# KiCad board CEM.kicad_pcb (continued)
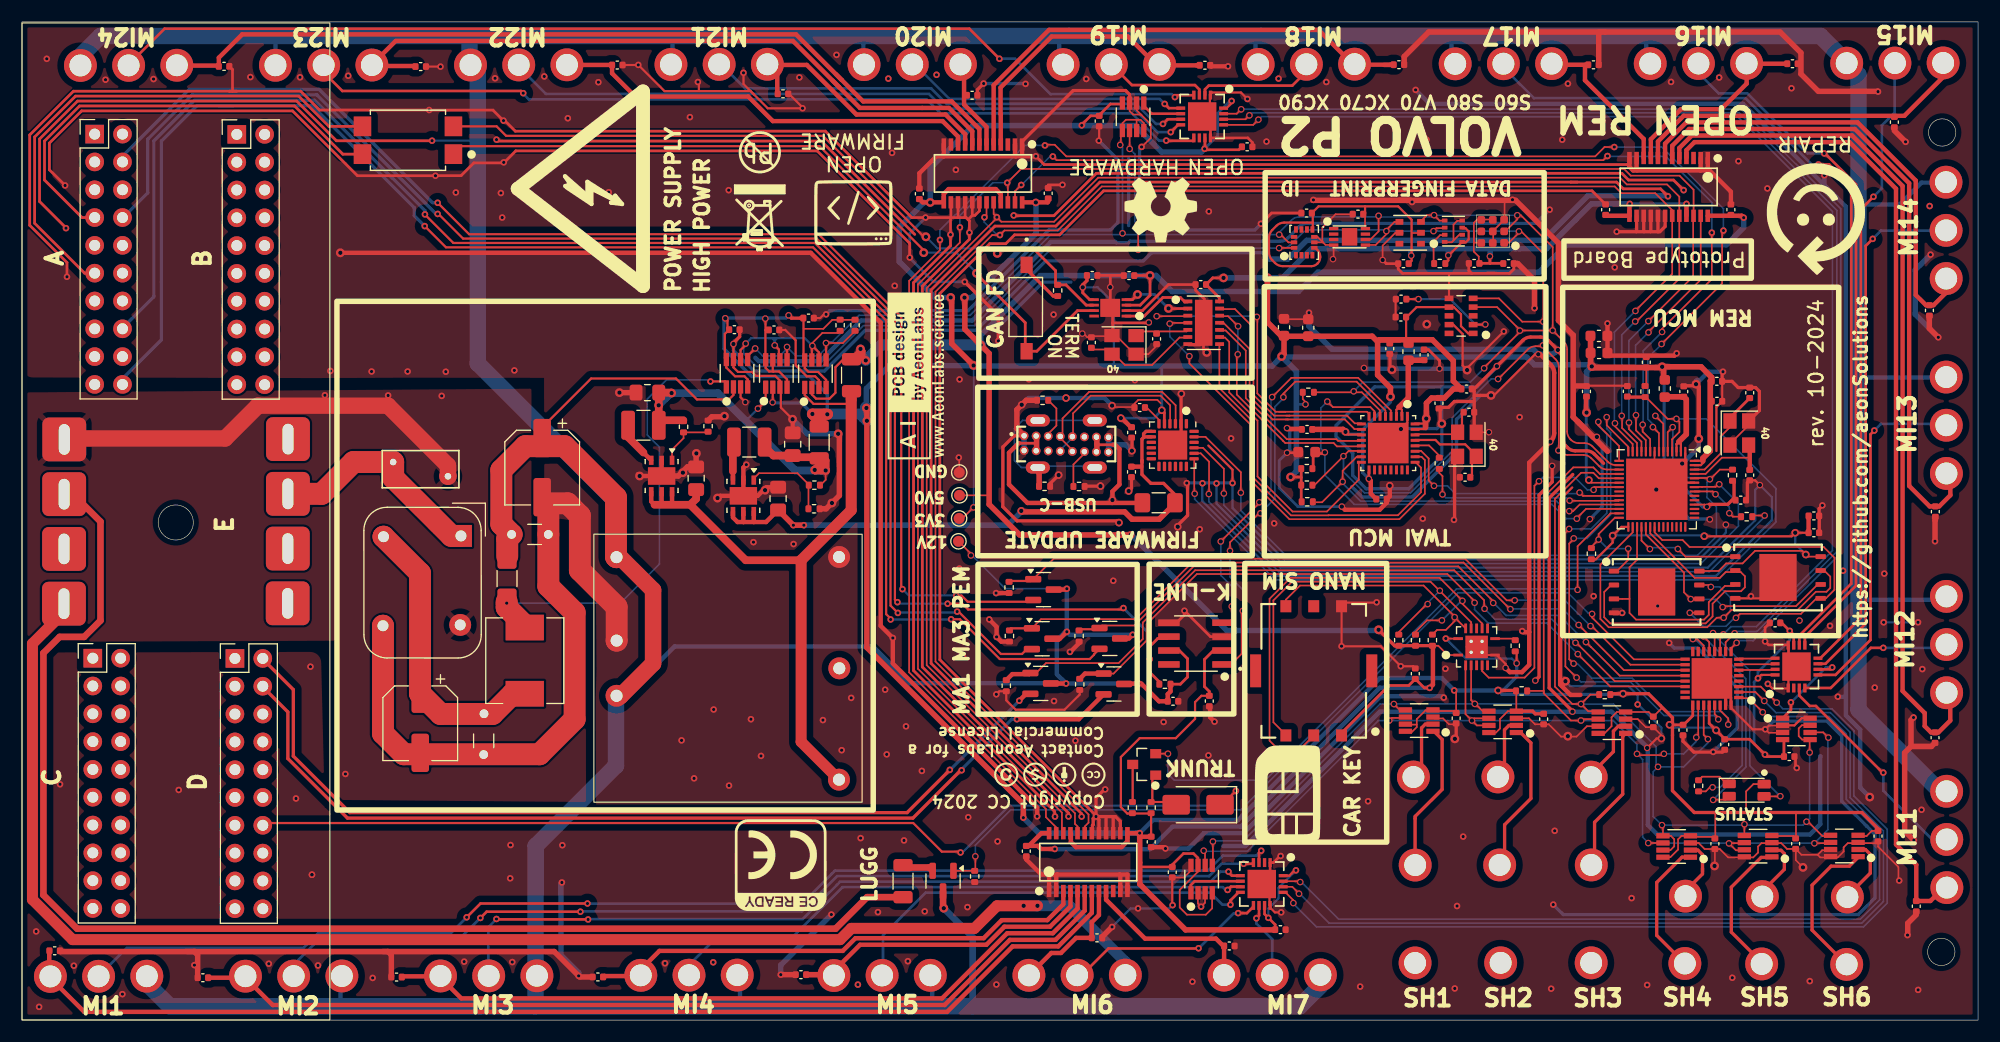
[diagram p0: board, top side]
## Routing (per net, layer and track width the routed paths; a pad name or vN(x,y) marks a point on that pad's centre or on a via; arc(x,y) is an arc through that point) (continued)
+5V: length 257.4
  Top w0.15: 5V0.1 88.21,47.93 88.27,47.87 ; TXS1.1 130.11,33.34 129.26,34.19 S3P52_R4.1
  Top w0.2: 72.09,57.78 72.09,57.14 72.47,56.76 73.7,56.76 74.24,57.3 74.24,59.63 75.27,60.66 75.47,60.66
  Top w0.25: 120.43,25.84 J2.C1 120.43,26.23 124.76,30.56 126.56,30.56 ENS_C3.2 127.98,30.34 v3(128.47,30.34) ; 100.71,65.3 102.05,65.3 102.95,66.2 v2(102.95,68.01) 101.53,68.01 MCP_P3_C1.1
  Top w0.3: S3P52_R4.1 128.71,34.2 125.66,34.2 S3P52_R3.1 125.27,34.19 v2(123.81,35.65)
  Top w0.4: v3(94.26,15.63) 92.99,15.63 92.71,15.91 NCV3_C14.1 91.88,15.91 93.04,17.07 U12.24 ; 93.66,74.74 93.61,74.69 U10.24 ; U11.24 153.86,73.47 156.96,73.47 v3(157.13,73.29) ; S3P52_R4.1 128.77,34.14 128.77,30.64 v3(128.47,30.34)
  Top w0.5: 86.05,66.14 86.05,63.11 v2(87.49,61.67) 88.27,60.89 88.27,47.1 91.06,44.31 101.1,44.31 ; v2(77.01,60.25) 76.72,60.54 75.9,60.54 75.57,60.21 76.53,61.17 v2(76.53,61.3) 76.74,61.09 76.74,60.52 v2(77.01,60.25)
  Bottom w0.4: v3(128.47,30.34) 128.45,30.36 123.92,30.36 111.23,17.67 105,17.67 102.94,15.61 94.28,15.61 v3(94.26,15.63)
  Bottom w0.5: 92.55,74.6 92.55,71.85 86.69,65.99 v2(86.02,65.99) 86.02,66.11 ; v2(123.81,35.65) 123.74,35.58 109.96,35.58 101.22,44.32 v1(100.06,44.32) 100.08,44.3 101,44.3 ; v3(157.13,73.29) 157.13,72.39 155.55,70.81 140.96,70.81 138.46,68.31 135.92,68.31 ; 135.92,68.31 136.83,68.31 ; 135.92,68.31 118.27,68.31 116.51,66.55 104.97,66.55 103.51,68.01 v2(102.95,68.01) 102.94,68 92.94,68 87.49,62.55 v2(87.49,61.67)
  Bottom w1: v2(77.01,60.25) 78.43,61.67 v2(87.49,61.67)
  vias: v1(92.53,74.68) v1(101.19,44.31)
+12V: length 723.7
  Top w0.15: TP1.1 86.61,42.59 v4(86.61,42.44)
  Top w0.2: INA3.2 64.94,57.09 64.53,56.69 61.6,56.69 59.69,58.6 51.95,58.6 47.48,54.13 C5.1
  Top w0.25: 37.58,80.3 37.57,80.31 28.7,80.31 25.07,83.94 5.08,83.94 1.61,80.47 1.61,74.77 3.95,72.43 ; U15.7 105.62,33.75 106.37,33.01 106.37,31.33 105.72,30.68 TXR2.1 ; 130.58,87.29 130.58,87.96
  Top w0.4: DMP1045U_4.3 94.73,34.84 v3(95.36,35.47) ; v3(101.37,35.2) 101.03,34.86 DMP1045U_5.3 ; v3(95.29,30.74) 93.92,30.74 DMP1045U_2.3 ; DMP1045U_7.3 95.28,39.32 v3(95.36,39.4) ; TXR2.1 104.82,30.02 104.57,29.77 LIN_C1.1 103.77,29.12 102.16,30.73 v3(101.92,30.73) 100.62,30.73 DMP1045U_3.3
  Top w0.6: v2(84.13,10.22) 84.06,10.29 DMP1045U_1.3
  Top w1.5: U2.6 54.59,42.28 57.6,39.27 57.6,32.57 54.65,29.62 U2.2
  Top w2: 44.29,42.37 44.29,43.96 C6.1 43.75,45.3 43.75,50.23 45.94,52.42 49.53,52.42 54.22,47.73 54.22,42.33 U2.6
  Bottom w0.15: v3(95.36,39.4) 89.75,39.4 86.71,42.44 v4(86.61,42.44)
  Bottom w0.2: v3(37.43,80.32) 41.56,80.32 41.6,80.36
  Bottom w0.25: 130.58,89.54 130.23,89.89 ; 64.52,4.23 64.87,4.23
  Bottom w0.3: 77.18,89.81 77.1,89.89 ; 59.38,89.79 59.48,89.89 ; 112.78,89.62 113.05,89.89 ; 23.78,89.65 24.02,89.89 ; 148.38,89.58 148.07,89.89
  Bottom w0.4: 94.94,31.09 v3(95.29,30.74) ; v3(95.29,30.74) 95.26,30.77 81.03,30.77 77.67,34.13 59.56,34.13 55.05,29.62 U2.2 ; v3(95.29,30.74) 101.91,30.74 v3(101.92,30.73) ; v3(95.29,30.74) 94.45,31.58 94.45,34.7 95.28,35.53 ; 175.32,38.67 175.04,38.39 167.61,38.39 167.61,37.34 ; 112.57,87.69 112.57,89.73 ; 130.46,87.73 130.46,89.94 ; 175.28,76.5 175.27,76.49 173.36,76.49 171.36,74.49 167.73,74.49 ; 76.79,87.48 76.79,90.02 ; 149.46,89.58 148.38,89.58 ; 84.02,1.26 82.05,1.26 ; 95.55,89.89 95.77,89.67 ; 83.07,4.11 83.07,1.27 ; 65.53,4.08 65.53,1.26 64.11,1.26 ; 100.28,1.46 100.08,1.26 ; 59.38,87.21 59.38,89.79 ; 148.24,87.52 148.24,89.75 ; 113.57,89.37 113.32,89.62 112.78,89.62 ; 29.08,4 29.08,1.36 29.18,1.26 ; 94.67,89.73 94.67,87.37 ; 77.97,89.81 77.18,89.81 ; 131.66,89.54 130.58,89.54 ; 175.3,58.7 175.29,58.69 167.81,58.69 167.61,58.48 167.61,55.06 ; v3(101.37,35.2) 95.63,35.2 v3(95.36,35.47) v3(95.36,39.4) ; 23.14,87.24 23.14,89.72
  Bottom w0.6: 86.76,3.5 86.76,7.58 84.17,10.17 ; 86.76,3.5 86.76,4.32 ; 86.76,3.5 86.76,1.26
  Bottom w1.5: U2.2 54.22,29.57 54.22,23.23 46.88,15.9 46.88,1.26 41.74,1.26 ; U1.MI7-1 118.5,3.14 116.62,1.26 41.74,1.26 ; 41.74,1.26 13.49,1.26 11.28,3.47 11.28,3.98 ; U2.6 54.27,47.31 41.6,59.97 41.6,86.57 U1.MI22-1 40.94,87.21 ; 5.32,87.2 5.32,88.03 7.18,89.89 164.13,89.89 166.53,87.49 U1.MI15-1 167.61,86.33 167.61,28.34 175.08,20.86 ; 40.84,89.84 40.84,87.25
  vias: v3(4.02,72.33)
GND: length 2687.3
  Top w0.15: 134.27,71.01 134.27,72.09 135.31,73.13 135.31,74.86 135.38,74.93 v3(136.03,74.93) ; 161.87,15.64 161.89,15.62 161.89,14.61 v2(162.54,13.95) ; 161.87,15.64 161.09,15.64 160.56,16.16 158.75,16.16 158.44,15.85 158.44,15.3 158,14.86 155.71,14.86 154.95,15.62 INA1_C7.1 ; 161.87,15.64 162.41,15.1 163.88,15.1 ; C3_C1.2 115.22,64.02 C3_C2.2 ; 96.6,62.73 96.86,62.73 97.23,62.36 97.6,62.36 97.71,62.47 99.02,62.47 99.47,62.92 99.47,62.9 101.54,60.83 102.8,60.83 103.55,61.58 MCPXTAL32_C2.2 ; 148.99,49.09 148.99,51.92 ; INA7.3 153.01,16.18 153.56,15.62 INA1_C7.1 ; 155.87,52.63 157.67,54.43 ; 102.17,82.67 103.02,81.81 103.02,80.57 102.2,79.75 v3(102.18,79.75) ; 102.17,82.67 102.12,82.71 101.41,82.71 101.09,83.03 101.09,83.67 ; 102.17,82.67 101.74,83.09 101.74,83.67 ; 154.48,14.18 154.5,14.2 INA1_C7.1 ; v4(124.18,69.42) 124.18,70.74 125.33,71.89 125.62,71.89 ; GND1.1 85.54,51.28 85.46,51.36 ; 130.65,71.2 130.65,72.66 130.99,73 131.4,73 ; 130.65,71.2 131.22,71.78 ; 130.65,71.2 130.48,71.04 129.9,71.04 ; C3XTAL40_1.2 133.87,53.69 v4(133.88,53.7) ; 160.7,26.25 159.41,26.25 v3(159.1,26.56) ; 171.25,12.7 171.25,13.98 169.39,15.84 INA1_C9.1 169.23,16.16 166.63,16.16 166.25,15.78 166.25,15.4 165.71,14.86 164.12,14.86 163.88,15.1 ; INA6.3 147.46,27.49 148.2,26.75 INA1_C6.1 149.73,25.91 149.73,25.6 ; 163.88,15.1 164.29,15.51 165.06,15.51 ; 118.74,71.03 118.97,70.8 119.71,70.8 119.71,69.73 119.68,69.7 ; 118.74,71.03 118.68,71.09 118.68,72.4 119.88,73.6 121.44,73.6 ATC1.1 ; 118.74,71.03 117.91,71.03 ; 118.74,71.03 118.24,71.53 117.91,71.53 ; 106.69,14.14 106.69,13.67 106.05,13.03 INA1_C10.1 ; 160.7,26.9 159.44,26.9 v3(159.1,26.56) ; v3(159.1,26.56) 159.1,26.44 ; INA4.3 128.9,27.55 129.7,27.55 130.23,27.02 130.81,27.02 INA1_C4.1 ; 130.75,51.5 130.6,51.5 ; INA6.7 142.82,26.84 141.87,25.89 140.46,25.89 139.34,27.02 138.09,27.02 137.53,27.56 INA5.3 ; 107.97,11.55 107.97,10.72 v3(107.61,10.36) 107.32,10.65 107.32,11.55 ; 103.92,56.35 103.62,56.65 101.88,56.65 101.53,56.3 101.53,55.99 99.66,55.99 99.53,56.12 v1(99.49,56.12) 99.49,56.16 99.47,56.18
  Top w0.2: 66.79,84.55 65.85,85.5 v3(65.85,86.52) ; 66.79,84.55 66.5,84.85 61.78,84.85 ; 66.79,84.55 68.07,83.28 v3(71.24,83.28) ; v2(70.33,54.88) 69.26,55.95 69.26,57.72 INA1.3 69.18,58.41 68.75,58.84 66.98,58.84 66.62,59.2 65.35,59.2 64.94,59.61 v4(64.94,61.75) ; 141.48,48.65 140.38,47.55 140.38,46.88 ; INA1_C12.1 98.31,80.35 v3(98.28,80.32) ; NCV3_C22.2 38.15,87.09 38.18,87.12 ; 69.41,63.03 69.67,63.03 70.61,62.09 70.61,59.81 71.62,58.8 72.39,58.8 72.74,58.45 72.74,57.78 ; v3(111.84,84.13) 111.25,84.72 108.62,84.72 108.42,84.52 108.42,82.88 ; 125.36,64.2 125.36,65.82 ; 108.27,52.48 110.48,50.27 v3(110.48,49.05) ; 161.14,31.89 161.21,31.82 161.21,30.29 159.75,30.29 v3(159.33,30.71) ; INA11.2 161.76,26.92 162.41,27.57 INA11.8 ; TXS1.15 133.51,33.34 TXS1.7 134.59,33.34 135.4,32.53 v4(135.4,32.17) ; v2(134.07,57.06) 134.34,57.06 138.1,60.82 v4(138.38,60.82) ; INA3.3 65.59,56.88 v4(66.02,56.44) ; v3(105.01,10.5) 104.98,10.53 INA1_C10.1 ; 151.79,50.86 151.79,51.79 ; INA1_C2.1 72.85,64.12 73.19,64.46 v3(73.39,64.46) ; 56.32,87.27 56.28,87.23 NCV3_C24.2 ; DMP1045_R3.2 96.53,29.73 95.15,28.35 90.69,28.35 89.83,29.21 DMP1045_R2.2 89.2,30.03 v3(88.93,29.75) ; U16.6 130.24,68.16 130.28,68.2 ; S3_XTAL40_C2.2 158.18,49.3 v4(158.61,48.86) ; ENS_C3.1 126.96,32.32 v3(125.83,32.32) 124.01,34.14 120.44,34.14 v3(120.43,34.15) J2.C5 120.76,38.13 123.53,38.13 123.69,38.29 ; 126.44,55.21 126.44,54.58 v2(125.84,53.99) ; v3(146.04,37.19) 145.3,37.19 EPS1.4 ; 152.63,49.09 148.99,49.09 ; 155.96,28.78 KTS1.32 155.98,28.52 157.94,26.56 v3(159.1,26.56) ; 71.24,83.36 70,84.6 NCV3_C23.2 ; v3(114.92,9.84) 114.35,9.84 113.91,10.28 TXMUX1.12 113.89,10.47 113.86,10.5 113.86,11.72 TXMUX1.17 ; v1(149.62,25.72) 149.18,25.72 v4(148.32,24.86) ; 107.72,48.92 107.73,48.93 107.73,49.07 ; S3P20_C1.2 142.82,57.94 146.48,57.94 S3P4_C1.1 146.56,57.96 ; U16.9 130.62,63.52 131.48,62.66 131.48,59.78 v2(131.89,59.37) 131.89,59.55 v3(135.24,62.9) ; 154.64,51.98 154.64,55.99 S3P55_C1.1 155.17,58.35 155.19,58.37 ; v3(61.69,85.68) 61.78,85.59 61.78,84.85 ; 61.78,84.85 58.64,84.85 v3(56.25,87.24) ; ESP_FLASH1.4 158.67,38.52 160.26,40.11 ESP_FLASH1.9
  Top w0.24: TX1_C1.1 112.3,80.16 111.88,80.57 U13.12 108.47,81.77 U13.17 107.71,82.02 ; TX1_C13.1 159.08,35.85 v3(159.08,34.59) 159.4,34.27 161.16,34.27 U14.12 161.22,34.21 161.22,33.02 U14.17 ; 114.78,14.96 114.21,14.39 TXMUX1.1 113.91,13.19 TXMUX1.17
  Top w0.25: v3(113.07,72.73) 114.05,73.71 LSM_C4.1 ; v3(90.51,73.5) 90.53,73.47 94.18,73.47 98.05,77.34 146.01,77.34 146.62,76.72 150.73,76.72 v3(151.65,75.8) ; 81.48,71.76 72.95,80.29 43.44,80.29 v3(43.31,80.42) ; 86.01,73.3 86.08,73.37 U10.16 ; 86.01,73.3 86.17,73.3 86.35,73.12 ; 86.01,73.3 85.42,73.3 ; 85.42,73.3 85.43,73.31 U10.15 ; 85.42,73.3 81.21,73.3 73.32,81.19 45.03,81.19 44.07,82.15 v3(43.95,82.15) 42.99,83.11 37.16,83.11 v3(37.17,83.12) 27.17,83.12 25.45,84.84 18.94,84.84 ; v4(115.46,51.82) 116.2,51.82 116.33,51.95 116.53,51.95 ; U10.17 86.73,73.5 ; 86.73,73.5 86.97,73.5 87.38,73.91 U10.18 ; 86.73,73.5 86.35,73.12 ; 132.3,68.2 135.76,68.2 136.15,68.59 ENS_C1.1 136.29,69.1 136.31,69.12 ; 132.3,68.2 132.04,68.46 132.04,69.1 ENS_C2.1 ; 132.3,68.2 125.99,68.2 125.6,68.59 AH_C1.1 124.51,69.09 v4(124.18,69.42) ; v3(81.02,69.65) 81.02,70.94 72.57,79.39 45.07,79.39 44.02,78.34 v3(43.97,78.34) 43.93,78.3 41.25,78.3 40.08,77.13 37.75,77.13 v3(37.74,77.12) 30.62,77.12 24.7,83.04 5.45,83.04 2.51,80.1 2.51,77.66 v3(3.94,76.23) ; v3(150.22,75.24) 149.53,75.92 146.14,75.92 145.53,76.54 141.35,76.54 ; 99.53,63.68 102.8,63.68 v4(102.84,63.72) ; 99.53,63.68 99.53,62.99 99.47,62.92 ; 99.53,63.68 99.53,65.39 99.33,65.59 99.33,68.02 ; 155.96,28.9 155.96,29.46 ; 99.33,68.02 98.17,68.02 MCP_P5_C2.2 ; 99.33,68.02 100.53,68.02 MCP_P3_C1.2 ; 18.94,84.84 19.6,84.84 ; 18.94,84.84 4.7,84.84 0.71,80.85 0.71,72.59 4.11,69.19 v3(4.11,67.89) ; U15.3 108.47,35.03 106.1,37.39 v3(106.09,37.39) 106.09,37.01 105.38,36.3 U15.5 ; U10.14 84.78,73.34 84.75,73.3 v3(84.75,71.74) 84.75,70.73 81.37,67.35 81.37,31.92 94.25,19.04 94.25,18.64 ; C3P2_C1.2 128.36,61.24 129.37,60.23 v4(129.37,59.5) ; v3(92.53,78.9) 93.29,78.14 146.5,78.14 146.71,77.94 ; 107.83,63.64 107.83,61.28 v2(108.13,60.98) ; 86.35,73.12 86.47,73 v3(86.47,71.93) 86.47,71.32 82.17,67.02 82.17,32.26 95.51,18.92 v3(95.51,18.6) ; NCV2_C7.2 143.29,75.74 98.71,75.74 94.69,71.72 90.59,71.72 89.78,70.91 88.32,70.91 83.77,66.36 83.77,32.92 98.02,18.67 98.02,18.51 ; 93.66,76.29 v3(94.96,76.29) 95.07,76.29 95.08,76.3 ; 141.35,76.54 141.94,76.54 ; 141.35,76.54 98.38,76.54 94.36,72.52 88.8,72.52 82.97,66.69 82.97,32.59 96.71,18.85 v3(96.71,18.59) ; 19.22,84.84 19.22,86.82 NCV3_C21.2 ; 100.71,64.8 102.26,64.8 104.64,67.18 MCP_P14_C1.2 107.11,66.67 107.9,65.87 107.9,62.77 ; 162,22.99 161.86,23.13 161.86,23.97 161.77,24.07
  Top w0.3: 98.79,21.07 98.02,20.3 v3(98.02,18.59) ; 101.31,52.06 v1(101.3,52) 101.31,52.89 ; KTS1.33 155.48,29.96 KTS1.31 ; v4(139.65,50.61) 139.65,49.15 138.46,47.96 138.46,31.35 v4(138.11,31.01) ; v2(152.78,58.08) 152.64,57.94 151.71,57.94 S3P2_C2.2 ; U12.16 98.94,18.59 ; 98.94,18.59 99.54,18.59 ; 98.94,18.59 v3(98.02,18.59) ; E_SPI_C1.2 164.03,44.53 164.03,46.03 E_SPI_C2.2 164.02,46.72 v3(164.31,47.01) ; v3(86.04,67.43) 89.11,64.36 v3(89.11,62.04) ; v2(129.58,54.48) 129.43,54.63 129.43,55.97 130.2,55.97 130.73,56.5 132.53,56.5 ; v2(134.07,57.06) 132.59,57.06 132.53,57 ; v4(64.94,61.75) 64.94,61.86 65.5,62.42 INA1_C3.1 ; 147.33,72.01 147.36,72.03 U11.14 ; 147.33,72.01 v3(145.54,72.01) ; 147.33,72.01 148.03,72.01 ; U11.17 149.31,72.02 149.3,72.01 ; 144.34,50.86 143.49,51.7 arc(143.17,51.92) 142.79,52 141.75,52 arc(141.37,52.07) 141.05,52.29 140.93,52.41 arc(140.71,52.73) 140.64,53.11 140.64,60.25 arc(140.56,60.63) 140.34,60.95 140.17,61.13 v4(140.17,61.21) 139.28,62.09 arc(138.96,62.31) 138.58,62.39 137.68,62.39 arc(137.3,62.31) 136.98,62.09 v4(134.61,59.72) 132.52,57.64 C3P32_C1.1 132.53,57.42 132.53,53.96 132.55,53.95 ; v4(141.5,28.17) 141.5,28.22 139.38,30.34 139.38,47.68 141.53,49.83 ; 130.75,51.5 130.75,45.7 130.73,45.68 ; 148.63,72.01 148.03,72.01 ; 148.63,72.01 149.3,72.01 ; 148.63,72.01 148.66,72.03 U11.16 ; 148.03,72.01 148.01,72.03 148.01,73.46 ; U12.14 100.24,18.15 99.8,18.59 99.54,18.59 ; S3_XTAL40_C2.2 157.47,49.09 157.47,47.62 S3P46_C1.2 ; 149.3,72.01 149.48,72.01 149.96,72.48 U11.18 ; ACPM_C2.1 155.19,24.48 152.58,24.48 151.59,25.47 151.59,25.72 ; 106.45,61.69 107.55,61.69 ; v1(101,48.32) 101.26,48.58 CHC1.2 ; v1(100.12,45.44) 99.95,45.6 90.81,45.6 89.52,46.89 89.52,52.34 90.55,53.37 J1.A1 ; U12.15 99.59,18.54 99.54,18.59 ; U12.18 97.7,17.13 97.7,17.79 97.77,17.85 97.77,18.41 97.95,18.59 v3(98.02,18.59) ; 94.76,49.9 94.73,49.9 v1(94.61,49.78) 93.84,49.01 USB_PLYG_R1.2 ; U12.17 98.29,18.32 v3(98.02,18.59) ; 98.36,48.89 98.43,48.96 v1(98.43,48.77) 97.01,48.77 USB_PLUG_R2.2 ; INA1_C4.1 130.89,25.96 130.7,25.77 ; C3P2_C2.2 124.85,60.83 124.85,59.59 v2(125.03,59.41) ; 157.9,54.59 157.9,55.02 158.56,55.68 158.56,57.43 158.22,57.78 S3_XTAL40_C1.2 156.62,57.78 156.06,58.34 S3P55_C2.1 155.16,59.14 v3(155.24,59.22) ; 105.04,52.52 105.79,53.27 105.79,57.19 v1(105.81,57.21) ; 105.35,45.07 106.38,46.1 106.38,48.93 106.24,49.07 ; 101.09,83.67 101.09,84.53 100.72,84.9 95.94,84.9 91.28,80.24 U10.1 ; NCV3_C20.2 87.2,84.97 v3(87.77,85.54)
  Top w0.4: v4(120.46,46.9) 120.75,46.61 123.91,46.61 124.56,47.27 C3P17_C1.2 124.83,47.85 124.83,48.96 ; 93.72,13.3 93.74,13.28 U12.1 ; 93.72,13.3 93.03,13.3 91.68,14.66 91.66,14.66 ; 93.72,13.3 94.5,13.3 ; 137.56,35.43 137.56,32.45 136.89,31.78 135.79,31.78 v4(135.4,32.17) ; 137.56,35.43 137.02,35.43 v3(136.92,35.53) ; 137.56,35.43 137.56,50.91 v4(139.47,52.83) ; 100.18,13.3 94.5,13.3 ; 100.18,13.3 100.89,13.3 U12.12 ; 100.18,13.3 100.24,13.24 U12.11 ; 94.5,13.3 94.39,13.19 U12.2 ; v3(110.07,87.11) 108.54,87.11 NCV3_C18.2 ; AUR_C2.2 67.93,48.67 67.15,47.89 AUR1.7 ; NCV2_C8.2 155.96,75.66 154.02,77.6 147.04,77.6 146.71,77.94 U11.12 ; 90.7,78.89 90.63,78.95 U10.2 ; 90.7,78.89 83.44,78.89 81.9,77.35 NCV1_C10.2 ; 90.7,78.89 91.21,78.89 ; v3(66.11,50.73) 65.84,50.46 AUR1.2 AUR1.7 ; AUR_C1.2 70.34,54.92 70.33,54.93 ; U10.12 84.13,78.9 84.12,78.89 ; v3(144.7,63.63) 144.7,60.94 S3_VDD3_C2.2 144.95,60.69 150.8,60.69 v3(151.01,60.9) ; 56.21,49.86 v2(56.38,49.7) AUR2.7 AUR2.2 ; v4(115.45,54.07) 115.53,53.99 116.76,53.99 C3P11_C1.2 ; 95.63,33.58 96.48,34.43 DMP1045_R5.2 ; U11.2 153.21,77.62 153.19,77.6 ; DMP1045_R7.2 90.08,39 88.93,39 ; v3(88.28,36.59) 88.95,35.92 v3(88.95,35) 89.38,34.57 DMP1045_R4.2 ; AUR1.7 63.73,47.89 63.41,47.57 ; 140.38,43.39 140.38,30.65 141.33,29.7 142.22,29.7 ; 140.38,43.39 140.38,46.88 ; 140.38,43.39 140.38,42.56 ; 91.21,78.89 91.28,78.97 U10.1 ; 91.21,78.89 92.52,78.89 v3(92.53,78.9) ; v2(152.78,58.08) 153.03,57.83 v2(153.03,53.1) ; v4(138.38,60.82) 138.55,60.82 139.54,59.82 arc(139.76,59.5) 139.84,59.12 139.84,53.61 arc(139.76,53.22) 139.54,52.9 ; LIN_C2.2 108.43,28.59 108.43,27.67 v3(108.84,27.26) ; U11.1 153.86,77.62 153.83,77.6 ; v2(29.06,70.08) 71.99,70.08 78.37,63.7 78.37,36.01 v3(79.48,34.9) 79.48,32.58 92.65,19.41 v3(92.65,18.61) ; U11.11 147.36,77.65 147.4,77.6 ; NCV3_C13.2 104.24,15.8 v3(104.36,15.67) ; 140.53,30.53 140.94,30.95
  Top w0.5: 144.7,51.95 141.99,54.66 ; 64.03,55.1 62.96,55.1 AUR_R3.2 ; 172.4,25 171.82,24.42 171.82,17.27 v3(172.66,16.43) ; 172.4,25 172.4,27.41 v3(172.63,27.64) ; 172.4,25 174.27,25 NCV2_C11.2 ; v3(174.89,62.36) 174.07,63.18 174.07,64.03 174.08,64.04 ; v3(99.49,8.51) 98.59,7.61 NCV1_C3.2 ; AUR_C3.2 v2(54.53,57.31) 54.45,57.39 ; AUR2.7 59.9,49.7 60.73,50.53 AUR_C4.2 61.53,51.74 v2(61.55,51.76) ; NCV2_C16.2 143.9,90.25 144.5,90.25 ; NCV1_C4.2 3.54,6.26 15.73,6.26 16.04,5.96 NCV1_C5.2 ; v3(171.91,80.22) 170.88,81.24 ; NCV3_C19.2 126.15,88 128.39,90.25 144.5,90.25 ; 125.73,74.88 136.31,74.88 140.23,70.97 140.23,63.91 141.57,62.56 141.57,55.08 141.99,54.66 ; 125.73,74.88 126.72,74.88 v3(126.87,74.72) 126.86,74.72 126.83,74.75 ; 125.73,74.88 117.83,74.88 ; 32.93,6.26 48.58,6.26 50.8,4.04 v3(50.81,4.04) 50.91,3.94 NCV1_C8.2 ; 141.99,54.66 143.38,53.27 v4(143.73,53.27) ; USB_PLUG_R1.2 91.65,56.61 90.8,55.76 90.8,54.03 J1.A1 ; 15.02,6.26 33.41,6.26 33.71,5.96 NCV1_C6.2 ; v3(69.25,4.15) NCV1_C7.2 ; v3(169.39,84.8) 169.36,84.83 163.94,84.83 162.36,86.41 162.36,88.34 160.45,90.25 144.5,90.25 ; 174.62,45.67 174.59,45.64 v3(174.59,43.73) ; 142.72,57.92 141.66,57.92 ; AUR_R1.2 73.39,46.7 74.6,47.91 74.6,53.44 v2(74.49,53.55) ; 172.88,9.62 172.1,8.84 172.1,7.9 ; ENS_C1.1 136.51,69.1 138.04,67.57 v3(138.04,65.02)
  Top w2: U2.1 54.28,37.73 50.92,41.09 50.92,46.08 49.8,47.2 48.04,47.2 C6.2 48.04,39.63 50.44,37.23 50.44,27.48 47.24,24.28 34.85,24.28 32.95,26.18 HLL1.4
  Bottom w0.2: v3(105.01,10.5) 104.71,10.2 v3(101.86,10.2) 101.18,10.2 v3(99.49,8.51) ; v1(149.62,25.72) 149.62,26.71 147.5,28.83 v3(147.45,28.83) 147.45,29.66 146.6,30.51 141.31,30.51 v2(140.87,30.95) ; v3(169.9,36.33) v3(173.04,36.33) ; 124.84,48.53 124.83,48.54 v1(124.83,48.81) ; v3(107.74,49.03) 107.72,49.01 107.72,47.41 114.56,40.58 154.61,40.58 159.7,45.66 159.7,47.77 v4(158.61,48.86) 158.18,48.44 158.18,45.65 153.85,41.33 114.87,41.33 109.02,47.17 v3(109.02,49.02) ; v4(155.5,45.25) 155.5,44.51 153.07,42.08 115.18,42.08 110.48,46.77 v3(110.48,49.05)
  Bottom w0.25: 120.34,46.79 v4(120.46,46.9) 116.44,46.9 114.74,48.6 114.74,51.1 v4(115.46,51.82) ; 128.31,59.49 129.37,59.49 v4(129.37,59.5) ; v3(82.47,73.3) 81.02,71.85 v3(81.02,69.65) 81.02,69.59 83.18,67.43 v3(86.04,67.43)
  Bottom w0.3: v3(139.75,10.55) 140.66,9.64 167.59,9.64 169.11,11.16 169.11,16.96 166.07,20 166.07,25.96 164.72,27.31 159.84,27.31 v3(159.1,26.56) ; v3(139.42,74.02) 138.17,72.77 117.28,72.77 arc(116.9,72.69) 116.58,72.48 115.53,71.43 arc(115.21,71.22) 114.83,71.14 101.11,71.14 100.97,71 99.87,71 99.79,71.08 ; 110.42,49.03 110.38,49.07 106.24,49.07 ; 121.36,48.73 122.31,47.78 122.88,47.78 ; 125.75,54.03 129.13,54.03 v2(129.58,54.48) ; 130.92,53 130.92,54.87 133.11,57.06 v2(134.07,57.06) ; 130.92,53 130.92,51.83 126.88,47.78 122.92,47.78 ; 130.92,53 130.92,52.36 ; v3(150.33,34.45) 150.8,33.98 152.92,33.98 156.55,30.35 156.55,26.7 v3(154.35,24.5) ; 87.1,63 76.96,63 73.25,59.28 66.81,59.28 64.94,61.16 v4(64.94,61.75) ; 87.1,63 93.44,69.34 102.34,69.34 103.09,70.09 113.3,70.09 113.66,69.72 ; 87.1,63 86.98,63 ; v2(129.58,54.48) 129.58,51.55 126.56,48.53 122.68,48.53 121.45,49.76 121.45,51.78 119.93,53.3 119.93,54.32 123.46,57.84 132.81,57.84 134.61,59.64 v4(134.61,59.72) ; v2(129.58,54.48) 129.58,57.83 129.57,57.84 ; 101,78.69 v4(101,74.18) 101,72.57 ; 113.08,72.73 112.52,72.17 103.23,72.17 102,73.4 102,79.59 102.11,79.71 ; 95.73,67.4 93.19,67.4 89.11,63.32 v3(89.11,62.04) ; v4(115.45,54.07) 115.71,53.81 115.71,52.06 v4(115.46,51.82) ; v4(143.09,45.76) 144.21,46.88 144.21,52.64 143.73,53.12 v4(143.73,53.27) ; v2(149.15,48.46) 149.47,48.46 152.16,45.77 154.05,45.77 ; v3(73.39,64.46) 73.73,64.8 86.35,64.8 93.72,72.17 99.34,72.17 100.02,72.84 100.02,78.59 v3(98.28,80.32) ; v3(91.59,85.51) 91.56,85.54 v3(87.77,85.54)
  Bottom w0.4: 166.46,29.52 166.46,74.3 165.57,75.18 ; 166.46,29.52 165.74,29.52 v3(165.72,29.54) ; 166.46,29.52 166.46,27.84 167.76,26.53 167.76,21.24 v2(168.63,20.37) ; 109.66,15.89 111.65,15.89 123.92,28.17 145.08,28.17 148.38,24.87 148.38,17.82 149.25,16.95 163.18,16.95 164.12,17.89 164.12,24.08 164.13,24.09 ; v1(91.24,56.2) 91.86,56.82 98.79,56.82 v1(99.49,56.12) ; 126.22,59.5 122.54,59.5 v4(122.48,59.56) ; 126.22,59.5 125.12,59.5 v2(125.03,59.41) ; 126.22,59.5 131.76,59.5 v2(131.89,59.37) ; 151.39,50.69 153.03,52.32 v2(153.03,53.1) ; v3(127.19,84.96) 128.47,83.69 157.06,83.69 165.57,75.18 ; v3(164.49,77.16) 164.49,76.26 165.57,75.18 ; 97.77,56.82 97.83,56.88 ; 99.79,71.08 93.9,71.08 86.72,63.9 76.59,63.9 72.87,60.19 67.24,60.19 66.93,60.49 ; v3(129.76,29.45) 129.64,29.58 123.99,29.58 111.48,17.07 107.85,17.07 106.45,15.67 v3(104.36,15.67) ; 152.88,58.48 152.78,58.38 v2(152.78,58.08) 153.92,59.22 v3(155.24,59.22)
  Bottom w0.5: 91.45,53.35 91.45,51.99 ; v3(73.87,9.64) 69.25,5.02 v3(69.25,4.15) ; v2(70.33,54.88) 71.66,53.55 v2(74.49,53.55) ; 113.66,69.72 113.87,69.51 115.54,69.51 117.25,71.22 138.83,71.22 142.91,75.3 150.16,75.3 v3(150.22,75.24) ; v3(50.81,4.04) 50.81,4.33 49.19,5.95 49.19,12.49 ; v4(140.17,61.21) 140,61.04 arc(139.76,60.87) 139.47,60.82 v4(138.38,60.82) 137.93,61.27 119.56,61.27 117.46,63.37 v3(117.46,64.61) ; v3(174.18,69.91) 172.78,68.51 172.78,64.47 v3(174.89,62.36) ; 99.17,51.9 99.17,53.26 ; v1(101.3,52) 100.75,52.55 99.19,52.55
  vias: v1(105.48,45.06) v2(60.32,50) v2(63.48,47.68) v2(64.11,55.16) v2(67.82,48.4) v2(73.92,47.23) v2(128.21,63.56) v2(130.77,25.69) v2(141.08,25.93) v2(151.51,50.83) v2(154.47,14.08) v3(1.3,8.1) v3(1.57,1.21) v3(2.27,87.8) v3(3.48,21.54) v3(4.74,4.97) v3(7.63,85.89) v3(9.17,2.37) v3(12.01,85.95) v3(14.31,21.02) v3(15.74,5.02) v3(20.85,86.13) v3(22.53,5.15) v3(25.01,20.24) v3(25.38,86.11) v3(26.33,32.28) v3(26.47,13.28) v3(26.47,13.28) v3(27.02,4.99) v3(28.15,59.29) v3(29.78,86.25) v3(31.91,59.24) v3(32.01,3.85) v3(35.2,59.24) v3(38.2,87.08) v3(38.68,59.22) v3(39.6,75.59) v3(40.36,5.34) v3(43.18,86.02) v3(43.71,75.54) v3(43.83,73.3) v3(44.59,15.99) v3(44.56,12.95) v3(44.75,5.3) v3(44.94,59.34) v3(47.67,86.19) v3(49.32,15.97) v3(49.28,12.57) v3(49.82,82.37) v3(52.61,85.66) v3(53.55,75.61) v3(58.69,5.19) v3(60.2,25.55) v3(60.96,82.47) v3(61.34,22.08) v3(63.09,5.28) v3(63.13,28.37) v3(64.5,75.8) v3(64.53,21.42) v3(66.53,27.48) v3(66.76,43.65) v3(67.45,24.13) v3(70.42,43.48) v3(70.95,86.1) v3(73.1,27.4) v3(74.34,88.16) v3(74.81,24.65) v3(75.68,29.43) v3(76.29,3.24) v3(76.54,16.62) v3(78.12,9.86) v3(78.78,30.18) v3(78.92,24.27) v3(79.07,85.99) v3(79.41,79.21) v3(79.65,67.07) v3(80.5,16.41) v3(80.68,26.83) v3(80.85,5.38) v3(82.13,22.76) v3(82.39,9.93) v3(83.47,86.34) v3(85.23,77.66) v3(85.5,51.38) v3(85.57,58.52) v3(85.55,41.24) v3(85.89,33.17) v3(86.29,10.32) v3(86.36,18.53) v3(88.9,39) v3(88.93,3.25) v3(89.04,16.32) v3(91.89,58.53) v3(94.15,64.44) v3(94.19,29.14) v3(94.28,18.59) v3(95.64,33.63) v3(96.14,25.52) v3(97.13,85.96) v3(98.86,21.07) v3(99.6,40.13) v3(101.57,58.45) v3(104.19,27.23) v3(106.3,49.05) v3(106.82,3.51) v3(107.49,44.83) v3(108.28,24.18) v3(108.32,73.86) v3(110.35,53.13) v3(113.58,80.24) v3(114.28,45.37) v3(114.68,85.99) v3(114.87,14.99) v3(117.86,74.91) v3(119.04,85.68) v3(122.13,3.06) v3(122.85,19.99) v3(123.63,38.16) v3(127.84,45.8) v3(128.18,80.41) v3(129.91,32.09) v3(130.69,45.69) v3(130.76,2.89) v3(130.97,10.42) v3(131.53,16.76) v3(136.68,55.07) v3(139.56,2.87) v3(139.88,17.29) v3(140.57,80.41) v3(141.09,85.53) v3(143.43,38.72) v3(145.36,68.75) v3(146.9,11.14) v3(148.32,3.21) v3(149.28,37.82) v3(150.5,85.69) v3(154.89,86.09) v3(156.09,3.87) v3(156.65,78.45) v3(157.79,38.71) v3(159.29,75.96) v3(161.49,85.11) v3(161.97,23.03) v3(163.16,3.56) v3(165.01,36.01) v3(166.2,41.04) v3(169.09,30.37) v3(169.96,40.78) v3(171.32,12.74) v3(172.08,7.77) v3(173.05,2.76) v3(173.36,19.21) v3(173.43,32.06) v3(174.1,74.35) v4(96.77,62.7) v4(99.32,66.94) v4(119.65,69.5) v4(154.04,45.73) v4(162.22,36.49)
GND-BAT: length 39.6
  Top w1.5: HLV1.2 38.88,50.65 33.41,56.12 21.54,56.12 18.55,53.13 3.78,53.13
  vias: v3(27.65,57.07) v3(29.52,22.48) v3(33.42,57.05) v3(38.31,57.01)
VDD_SPI: length 38.6
  Top w0.15: 164.16,42.33 162.99,42.33 162.46,42.86 158.17,42.86 157.02,41.71 155.53,41.71 154.84,41.02 153.09,41.02 EPS1.8
  Top w0.2: ESP32S1.29 145.98,45.05 v1(145.17,44.24) 145.17,43.62 143.64,42.09 PSRAM_R1.2 ; v1(153.53,44.2) 153.54,44.19 161.51,44.19 v1(161.83,44.51) E_SPI_C1.1
  Top w0.4: 163.05,45.78 163.05,44.8
  Bottom w0.15: 153.62,44.29 v1(153.53,44.2)
  Bottom w0.2: v1(145.17,44.24) 145.2,44.27 153.46,44.27 v1(153.53,44.2) ; v1(161.83,44.51) 161.83,43.49 v1(162.8,42.52)
(no net):
  vias: v1(95.29,56.82)
A0_TXMUX1: length 84.4
  Top w0.15: v4(116.66,12.61) 116.59,12.68 114.94,12.68 ; KTS1.1 156.74,29.4 157.59,29.4 v4(158.87,28.12)
  Bottom w0.15: v4(116.66,12.61) 116.76,12.61 120.16,9.22 167.77,9.22 169.53,10.98 169.53,17.14 166.5,20.17 166.5,26.14 164.9,27.73 159.26,27.73 v4(158.87,28.12)
A0_TXMUX2: length 3.3
  Top w0.15: U14.15 159.94,31.98 156.7,31.98 KTS1.6
A0_TXMUX3: length 105.6
  Top w0.15: v4(156.48,34.46) 155.98,33.96 KTS1.9 ; U13.15 110.86,82.78 v4(111.27,83.19)
  Bottom w0.15: v4(156.48,34.46) 156.68,34.66 158,34.66 165.98,42.64 165.98,74.1 156.87,83.21 111.29,83.21 v4(111.27,83.19)
A1_TXMUX1: length 85.7
  Top w0.15: KTS1.2 158.2,29.96 v4(159.01,29.15) ; v4(116.55,11.54) 116.55,11.56 115.93,12.18 114.94,12.18
  Bottom w0.15: v4(159.01,29.15) 160.08,28.08 165.04,28.08 166.84,26.28 166.84,20.32 169.88,17.28 169.88,10.84 167.91,8.87 119.28,8.87 116.61,11.54 v4(116.55,11.54) 116.55,11.6 116.46,11.69